# KiCad board NoU2-panelized.kicad_pcb (continued)
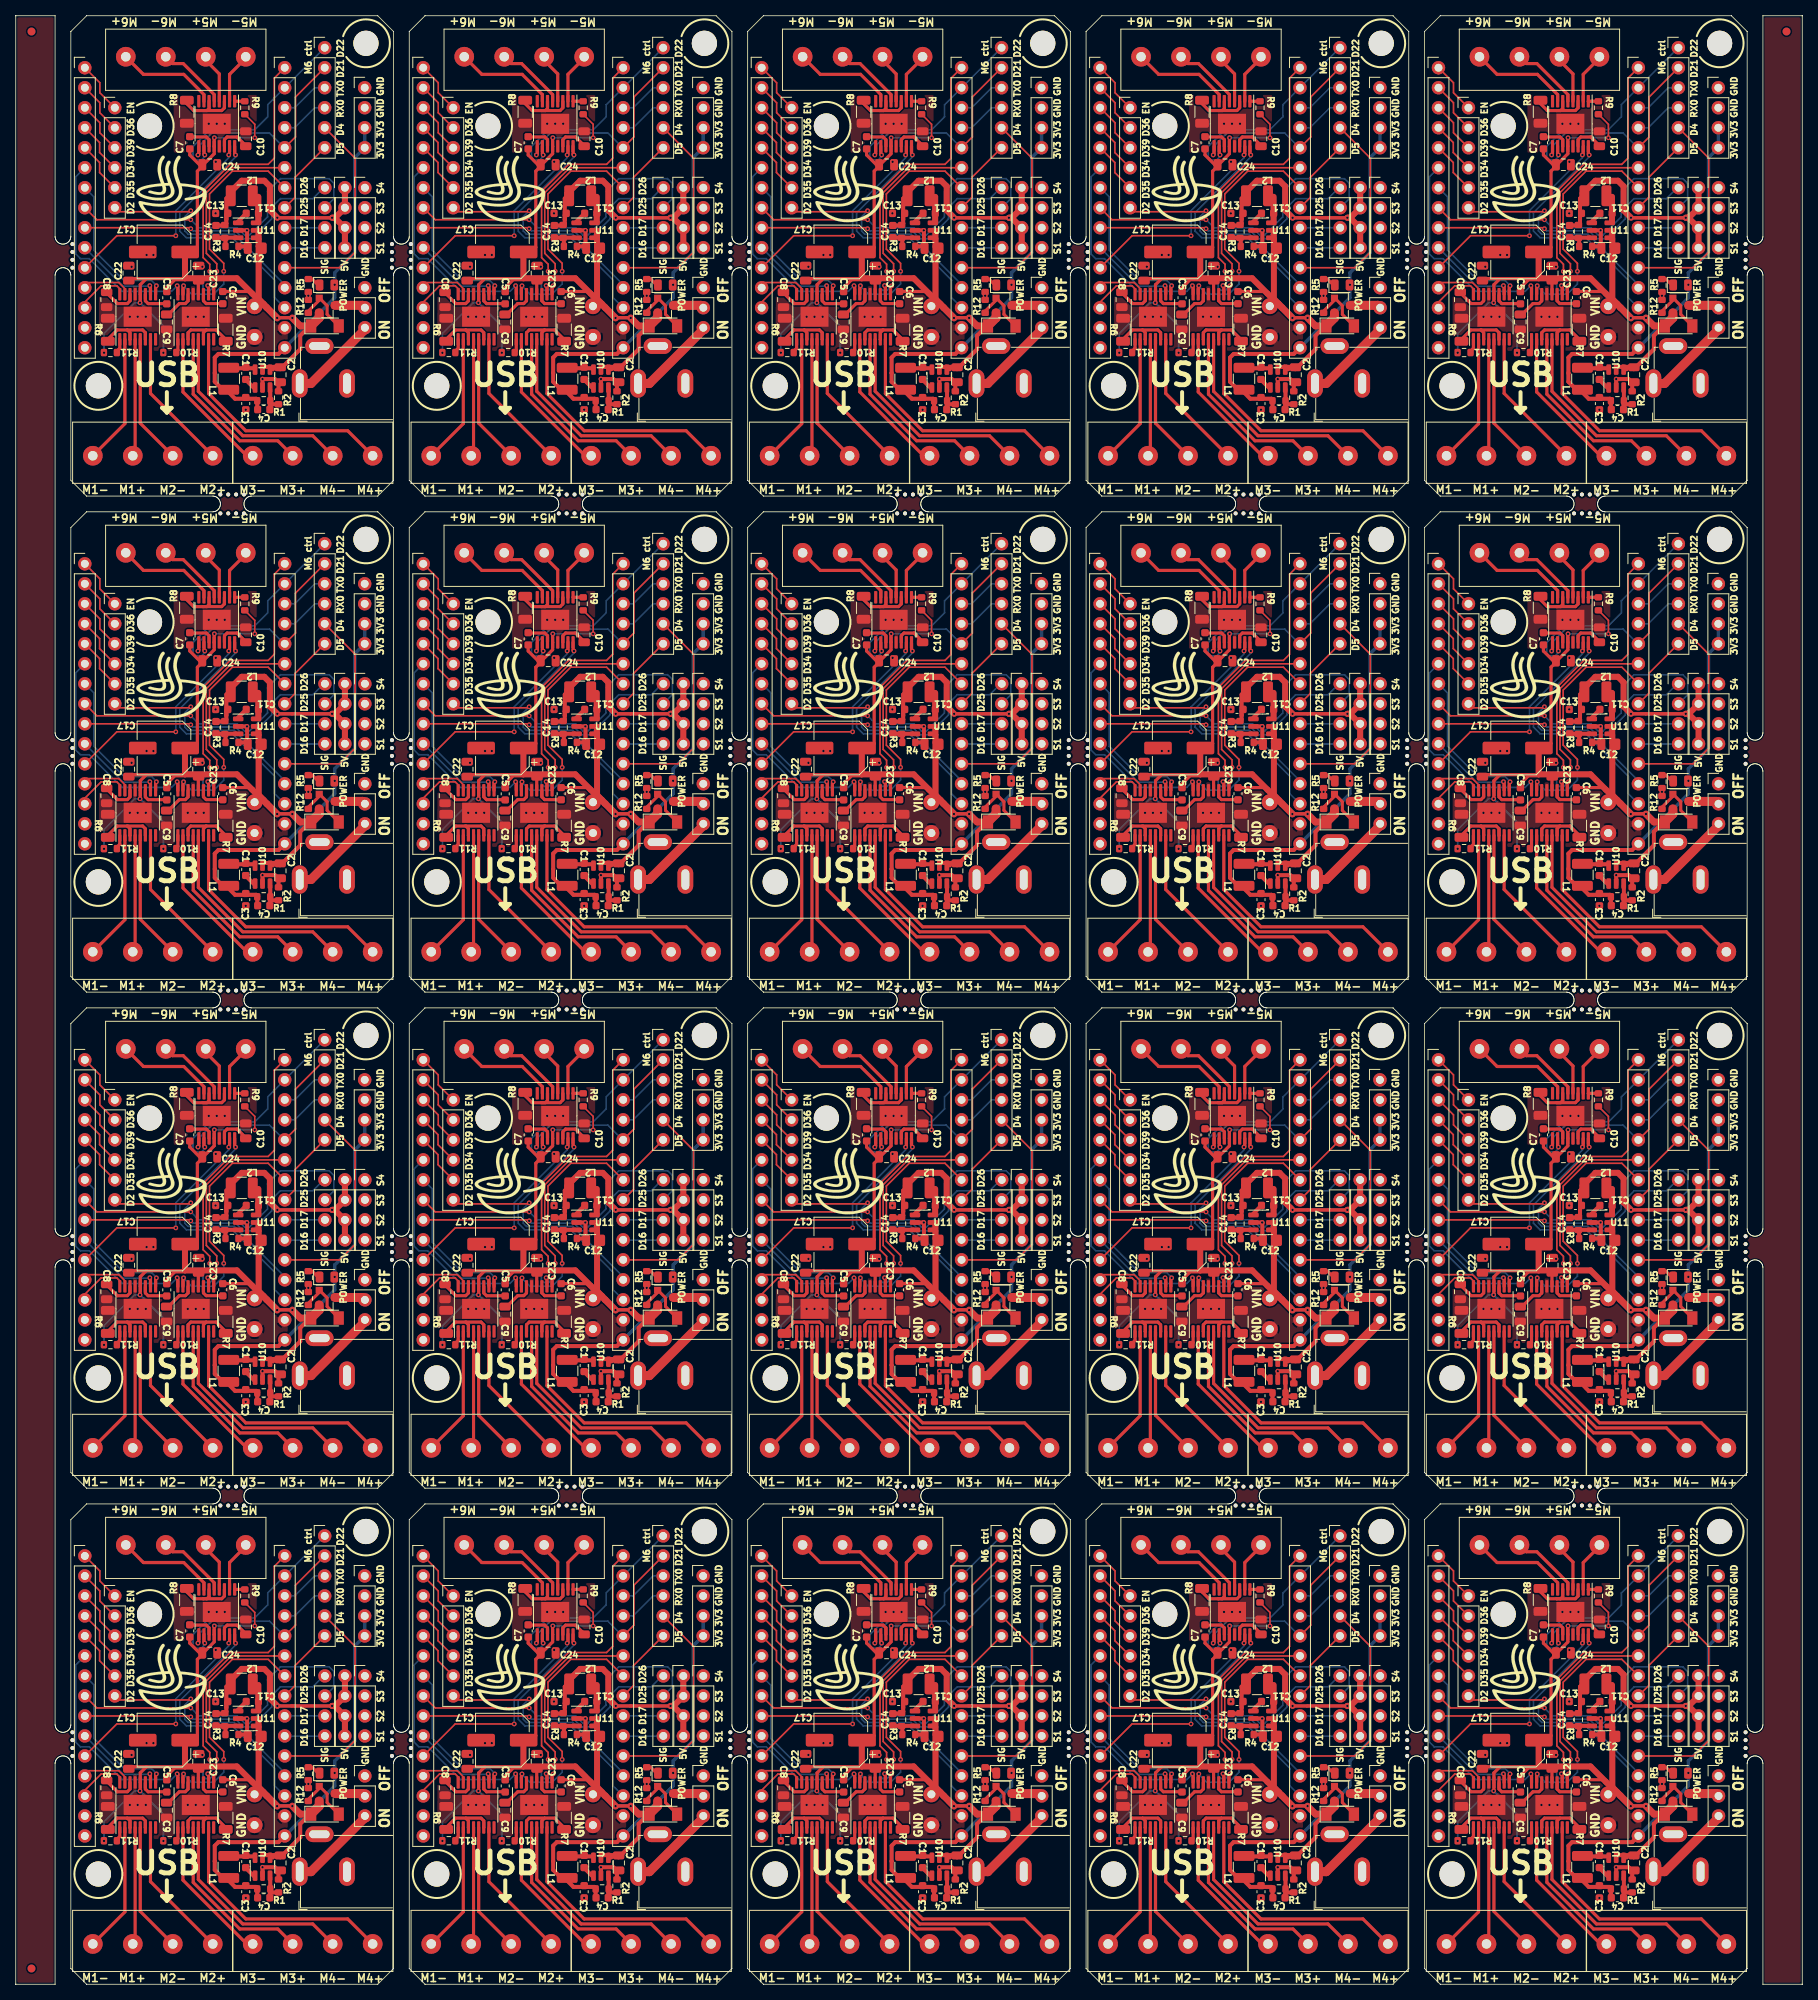
[diagram p0: board, top side]
## Routing (per net, layer and track width the routed paths; a pad name or vN(x,y) marks a point on that pad's centre or on a via; arc(x,y) is an arc through that point) (continued)
Board_18-/Sheet6057E9B8/D16: length 5.1
  Top w0.203: 163.21,31.51 J11#18.10
  Bottom w0.203: 168.28,31.51 163.21,31.51
Board_18-/Sheet6057E9B8/D17: length 5.1
  Top w0.203: 168.25,34.08 168.28,34.05
  Bottom w0.203: J11#18.9 168.25,34.08
Board_18-/Sheet6057E9B8/D34: length 6.7
  Top w0.203: J10#8.4 139.66,44.9 139.66,43.63 141.59,41.7
Board_18-/Sheet6057E9B8/D35: length 6.7
  Top w0.203: 141.59,39.16 139.66,41.09 139.66,42.36 J10#8.5
Board_18-/Sheet6057E9B8/D36: length 6.7
  Top w0.203: 141.59,46.78 139.68,48.68 139.68,49.95 J10#8.2
Board_18-/Sheet6057E9B8/D39: length 6.7
  Top w0.203: 141.59,44.24 139.68,46.14 139.68,47.41 J10#8.3
Board_18-/Sheet6057E9B8/EN: length 7.3
  Top w0.203: 141.59,49.32 139.68,51.22 139.68,52.49 J10#8.1
  Top w0.399: 137.78,53.76 J10#8.1
Board_18-D2: length 28.7
  Top w0.203: v1(151.24,36.24) 151.11,36.11 142.1,36.11 J4#2.6
  Bottom w0.203: J11#18.12 163.18,26.84 156.77,33.25 150.9,33.25 150.48,33.67 150.48,35.47 v1(151.24,36.24)
Board_18-D4: length 27.2
  Top w0.203: J11#18.11 170.14,29 172.12,30.98 172.12,42.92 J1#6.5
Board_18-D5: length 9.7
  Top w0.203: J1#6.6 164.5,40.48 164.5,37.94 J11#18.8
Board_18-D25: length 41.8
  Top w0.203: v1(151.24,35.09) 139.3,35.09 J10#8.8
  Bottom w0.203: J2#8.2 169.44,37.77 169.44,39.71 168.83,40.31 162.63,40.31 161,38.68 161,35.46 158.68,33.14 158.08,33.14 157.15,34.08 152.26,34.08 v1(151.24,35.09)
Board_18-D26: length 34.6
  Top w0.203: v1(151.24,33.95) 151.15,34.08 J10#8.9
  Bottom w0.203: J2#8.1 168.13,39.16 166.75,37.77 162.63,37.77 161.53,36.67 161.53,35.22 158.99,32.68 157.91,32.68 156.91,33.67 151.52,33.67 v1(151.24,33.95)
Board_18-GND: length 10.3
  Top w0.508: 158.32,10.98 158.32,10.98 ; 162.39,13.31 162.39,14.24 162.61,14.46 162.33,14.46 161.93,14.86 v1(160.36,14.86) 160.36,13.61 ; R12#16.2 R5#20.1 166.15,25.88 ; 157.06,33.75 v1(158.38,33.75) 158.4,33.72 158.4,31.8 158.31,31.71 R4#15.2
  vias: v1(143.49,22.77) v1(143.72,29.12) v1(144.5,22.77) v1(145.53,22.77) v1(145.63,30.62) v1(146.49,30.62) v1(150.86,22.77) v1(151.88,22.77) v1(152.71,29.12) v1(152.89,22.77) v1(153.53,47.28) v1(154.41,42.46) v1(154.39,35.9) v1(154.54,47.28) v1(155.56,47.28) v1(158.22,10.96) v1(166.18,25.44)
Board_18-M1A: length 6.9
  Top w0.203: U1#14.16 142.22,26.33 141.85,26.7 139.85,26.7 137.78,24.63 J10#8.13
Board_18-M1B: length 6.8
  Top w0.203: J10#8.12 137.78,27.12 142.1,27.12 142.87,26.34 U1#14.15
Board_18-M2A: length 11.3
  Top w0.399: U1#14.10 146.12,26.57 146.03,26.66
  Bottom w0.203: J10#8.10 142.65,26.66 146.03,26.66
  vias: v1(146.03,26.72)
Board_18-M2B: length 19.4
  Top w0.399: 146.87,26.66 146.77,26.56 U1#14.9
  Bottom w0.203: J10#8.7 138.93,38 138.93,31.22 142.78,27.37 146.26,27.37 146.87,26.76 v1(146.87,26.71) 146.87,26.66 146.87,26.72
Board_18-M3A: length 27.6
  Top w0.399: 149.51,26.66 149.6,26.57 U3#10.16
  Bottom w0.203: J10#8.6 136.63,40.54 136.63,30.75 137.23,30.15 138.35,30.15 142.5,26 148.79,26 v1(149.51,26.72)
Board_18-M3B: length 30.9
  Top w0.203: v1(155.43,28.54) 155.43,29.55 153.62,31.36 153.62,38.36 156.52,41.26 161.07,41.26 J11#18.7 ; 150.25,26.58 150.33,26.66
  Top w0.399: U3#10.15 150.25,26.58
  Bottom w0.203: v1(155.43,28.54) 155.43,26.93 154.15,25.65 151.34,25.65 150.33,26.66
  vias: v1(150.33,26.71)
Board_18-M4A: length 25.2
  Top w0.203: J11#18.6 156.39,41.7 153.22,38.53 153.22,30.83 154.54,29.5 v1(154.54,28.54)
  Top w0.399: U3#10.10 153.5,26.56 153.4,26.66
  Bottom w0.203: 153.4,26.66 153.4,26.67 154.54,27.82 v1(154.54,28.54)
  vias: v1(153.4,26.74)
Board_18-M4B: length 38.7
  Top w0.203: J11#18.1 161.86,53.08 161.86,42.92 161.07,42.13 156.24,42.13 152.81,38.7 152.81,30.28 153.65,29.44 v1(153.65,28.54)
  Top w0.399: U3#10.9 154.15,26.55 154.26,26.66
  Bottom w0.203: v1(153.65,28.54) 153.65,27.98 152.79,27.12 152.79,26.44 153.11,26.13 153.71,26.13 v1(154.29,26.71)
Board_18-M5A: length 32.5
  Top w0.399: U2#16.16 156.82,43.43 v1(156.93,43.32) 156.93,43.37
  Bottom w0.203: J11#18.13 163.17,23.92 161.91,25.19 161.91,27.41 156.51,32.81 150.69,32.81 149.84,33.65 149.84,35.98 156.93,43.07 v1(156.93,43.32)
Board_18-M5B: length 27.4
  Top w0.203: v1(149.34,33.06) 141.84,33.06 J10#8.11
  Top w0.399: U2#16.15 156.17,43.47 156.07,43.37
  Bottom w0.203: v1(149.34,33.06) 149.34,36.24 156.07,42.97 156.07,43.37
  vias: v1(156.07,43.32)
Board_18-M6A: length 27.3
  Top w0.203: 168.25,56.94 J1#6.1
  Top w0.399: 153.02,43.37 152.92,43.47 U2#16.10
  Bottom w0.203: 168.25,56.94 J11#18.2 161.02,49.7 161.02,48.17 159.37,46.52 153.65,46.52 151.52,44.39 151.52,43.02 151.85,42.69 152.59,42.69 153.02,43.12 v1(153.02,43.32)
Board_18-M6B: length 26.9
  Top w0.203: J1#6.2 164.55,50.69 164.55,45.61 J11#18.5
  Top w0.399: 152.15,43.37 152.27,43.49 U2#16.9
  Bottom w0.203: J11#18.5 163.11,44.24 161.24,46.11 153.92,46.11 152.27,44.46 152.27,43.49 152.15,43.37
  vias: v1(152.15,43.32)
Board_18-Net-(C1-Pad1): length 3.3
  Top w0.508: 159.43,16.23 156.15,16.23
Board_18-Net-(C1-Pad2): length 1.7
  Top w0.508: 158.33,14.81 158.33,14.78 ; 158.2,14.8 159.37,13.63
Board_18-Net-(C4-Pad1): length 4.1
  Top w0.508: C4#4.1 161.29,12.06 ; 161.29,12.06 161.29,11.84 161.46,11.66 R2#8.1 ; 161.29,12.06 R1#14.2 161.34,13.59 ; 161.41,12.06 161.46,12.1
Board_18-Net-(C5-Pad2): length 3.7
  Top w0.399: C5#19.2 148.16,24.44 145.82,24.44 145.47,24.79 U1#14.11
Board_18-Net-(C6-Pad2): length 3.4
  Top w0.399: U3#10.11 152.85,24.79 153.19,24.45 155.28,24.45 C6.2
Board_18-Net-(C7-Pad2): length 3.5
  Top w0.399: C7#18.2 151.15,45.61 153.22,45.61 153.57,45.27 U2#16.11
Board_18-Net-(C8-Pad1): length 4.6
  Top w0.399: C8#6.1 140.55,25.81 141.91,24.45 143.18,24.45 143.52,24.79 U1#14.14
Board_18-Net-(C9-Pad1): length 4.3
  Top w0.399: C9#15.1 148.4,23.06 149.78,24.45 150.56,24.45 150.9,24.79 U3#10.14
Board_18-Net-(C10-Pad1): length 4.2
  Top w0.399: C10#10.1 158.22,44.51 157.12,45.61 155.86,45.61 155.52,45.27 U2#16.14
Board_18-Net-(C11-Pad1): length 3.5
  Top w0.508: 159.7,37.99 159.65,38.04 ; 159.7,36.04 C11#12.1 159.68,35.75
  Top w0.762: 159.83,36.06 159.83,38 ; 159.83,34.81 159.83,35.86
Board_18-Net-(C11-Pad2): length 1.7
  Top w0.508: 157.06,34.7 157.08,34.7 C11#12.2
Board_18-Net-(C14-Pad1): length 3.7
  Top w0.508: C14#8.1 157.04,32.82 157.06,32.8 ; R4#15.1 155.65,32.69 R3#7.2
Board_18-Net-(D1-Pad1): length 1.6
  Top w0.381: D1#6.1 167.42,26.81 166.67,27.56 166.35,27.56
Board_18-Net-(D2-Pad2): length 7.2
  Top w0.381: 166.2,23.27 166.2,23.51 167.56,24.87 Q1#9.1 168.56,24.17 168.56,23.08 D2.2
  Top w0.508: Q1#9.1 167.43,25.17
Board_18-Net-(J6-Pad1): length 16.5
  Top w0.399: U1#14.2 142.87,9.2 J6#5.1
Board_18-Net-(J6-Pad2): length 14.9
  Top w0.399: U1#14.4 144.17,5.42 J6#5.2
Board_18-Net-(J6-Pad3): length 16.5
  Top w0.399: J6#5.3 144.82,9.25 U1#14.5
Board_18-Net-(J6-Pad4): length 18.1
  Top w0.399: J6#5.4 146.12,13.03 U1#14.7
Board_18-Net-(J7-Pad1): length 18.9
  Top w0.399: U3#10.2 150.25,13.22 158.35,5.12 J7#18.1
Board_18-Net-(J7-Pad2): length 22.9
  Top w0.399: U3#10.4 151.55,12.94 157.47,7.02 162.29,7.02 J7#18.2
Board_18-Net-(J7-Pad3): length 27.1
  Top w0.399: U3#10.5 152.2,13.3 157.84,7.66 166.73,7.66 J7#18.3
Board_18-Net-(J7-Pad4): length 31
  Top w0.399: J7#18.4 171.18,8.3 158.22,8.3 153.5,13.02 U3#10.7
Board_18-Net-(J8-Pad1): length 6.5
  Top w0.399: J8#16.1 158.22,55.62 156.17,53.56 U2#16.2
Board_18-Net-(J8-Pad2): length 6.4
  Top w0.399: U2#16.4 154.87,53.61 153.15,55.34 J8#16.2
Board_18-Net-(J8-Pad3): length 9
  Top w0.399: U2#16.5 154.22,50.99 150.28,54.93 148.93,54.93 J8#16.3
Board_18-Net-(J8-Pad4): length 12.8
  Top w0.399: U2#16.7 152.92,50.99 150.35,53.56 145.22,53.56 J8#16.4
Board_18-Net-(J9-Pad1): length 11.3
  Top w1.143: 173.34,21.38 173.34,21.12 166.52,14.3 J9#7.1
Board_18-Net-(Q1-Pad3): length 3.9
  Top w1.143: Q1#9.3 173.06,24.22 U8#12.2
Board_18-Net-(R6-Pad2): length 7.8
  Top w0.399: R6#6.2 140.7,19.91 141.89,21.1 143.18,21.1 ; 143.52,19.91 U1#14.3 143.52,20.75 143.18,21.1 ; 143.18,21.1 145.13,21.1 145.47,20.75 U1#14.6 145.47,19.91
Board_18-Net-(R7-Pad2): length 7.8
  Top w0.399: 153.19,21.1 152.85,20.75 U3#10.6 152.84,19.9 ; 153.19,21.1 154.47,21.1 155.69,19.89 R7.2 ; 153.19,21.1 151.24,21.1 150.9,20.75 U3#10.3 150.9,19.91
Board_18-Net-(R8-Pad2): length 8.5
  Top w0.399: 152.79,48.96 153.3,48.96 153.57,49.23 U2#16.6 ; 152.79,48.96 155.17,48.96 155.52,49.3 U2#16.3 ; 152.79,48.96 151.61,48.96 150.73,49.84 150.73,50.4
Board_18-Net-(R9-Pad1): length 1.3
  Top w0.399: U2#16.1 156.82,50.14 R9#16.1
Board_18-Net-(R10-Pad1): length 1.7
  Top w0.399: U3#10.1 149.6,18.53 149.4,18.33
Board_18-Net-(R11-Pad1): length 1.8
  Top w0.399: U1#14.1 142.22,18.77 141.78,18.33
Board_18-RX0: length 6.1
  Bottom w0.203: J1#6.4 166.99,49.32 164.45,46.78 J11#18.4
Board_18-TX0: length 6.1
  Bottom w0.203: J1#6.3 166.99,51.86 164.45,49.32 J11#18.3
Board_18-VIN: length 111
  Top w0.203: v1(159.37,45.51) 159.37,47.22 R9#16.2
  Top w0.25: J14#19.1 160.71,24.12 160.9,23.93
  Top w0.399: 150.54,27.62 145.6,27.62 144.82,26.84 U1#14.12 144.82,24.56 144.81,24.55 ; 159.04,25.72 158.78,25.98 C6.1 ; C17#15.1 151.49,31 152.08,31.59 152.08,41.26 152.7,41.89 C24#20.1 ; 152.21,27.36 152.2,27.35 U3#10.12 ; 150.49,27.47 149.31,27.47 ; C5#19.1 148.19,26.46 149.16,27.42 ; 158.01,48.4 R9#16.2 ; 143.65,27.62 145.62,27.62 ; C24#20.1 152.82,42.08 154.22,43.48 U2#16.12 154.21,44.43 154.21,45.51 ; C24#20.1 152.36,42.08 151.11,43.32 C7#18.1 ; C22#18.1 143.6,27.6
  Top w0.432: v1(164.14,22.62) 164.11,22.65 162.25,22.65 v1(162.21,22.62)
  Top w0.508: 162.52,16.41 161.61,16.41 ; 162.6,16.11 162.77,16.28 162.78,16.28 165.15,18.65 165.15,20.37 166.38,21.6 D2.1 ; 159.86,32.61 159.68,32.8 ; 161.53,16.27 161.69,16.11 ; 159.86,30.72 159.86,30.95 C12#18.2 ; 160.65,16.4 161.27,16.4
  Top w0.762: 159.74,25.1 159.66,25.1 157.1,27.66 150.57,27.66 ; 159.85,32.7 159.85,33.65 ; 159.86,32.61 159.86,24.97 160.46,24.37 ; 150.5,27.66 150.5,30.97 C17#15.1
  Top w0.864: 159.74,25.1 v1(162.21,22.62) ; D2.1 165.16,21.6 v1(164.14,22.62)
  Top w1.143: D2.1 167.56,22.63 Q1#9.2
  Bottom w0.203: 154.21,45.51 v1(159.37,45.51) ; v1(144.79,24.55) 144.13,24.55 140.22,20.64 v1(140.22,18.2)
  Bottom w0.25: v1(144.79,24.55) 147.76,21.58 v1(147.76,18.2)
  Bottom w0.432: v1(164.14,22.62) 164.11,22.65 162.25,22.65 v1(162.21,22.62)
  vias: v1(154.24,45.51)
Board_19-3V3: length 53
  Top w0.508: 202.81,12.1 202.56,12.36 199.87,12.36 198.94,13.29 198.94,13.5 199.07,13.37 ; J11#4.15 205.39,18.05 197.75,18.05 197.29,17.59 197.29,15.63 197.29,15.63 197.29,14.52 198.56,13.25 199.2,13.25 ; 202.81,11.04 202.86,10.99 ; R1#17.1 202.69,11.04
  Bottom w0.432: J3#13.3 J3#13.4 215.09,42.99 215.09,30.92 212.53,28.36 v1(212.53,26.84) 212.53,25.19 J11#4.15
Board_19-5V: length 40.3
  Top w0.432: v1(205.24,35.35) v1(212.2,35.35)
  Top w0.508: 198.76,35.14 198.76,34.63 R3#6.1 198.5,34.37 C14#15.2 ; 198.76,35.14 198.76,37.79 199.11,38.14 ; 198.76,35.14 198.76,35.69 198.98,35.9 198.98,36.1
  Top w0.762: 213.82,31.51 213.82,34.05 212.53,35.35 v1(212.2,35.35) 212.58,35.35 213.82,36.59 J12#3.1 ; 199.11,38.14 199.11,38.43 200.72,40.04 201.57,40.04 201.58,40.05 203.59,40.05 204.3,39.33 204.3,36.29 v1(205.24,35.35)
  Bottom w0.432: v1(212.2,35.35) v1(205.24,35.35)
Board_19-/Sheet6057E9B8/D16: length 5.1
  Top w0.203: 206.21,31.51 J11#4.10
  Bottom w0.203: 211.28,31.51 206.21,31.51
Board_19-/Sheet6057E9B8/D17: length 5.1
  Top w0.203: 211.25,34.08 211.28,34.05
  Bottom w0.203: J11#4.9 211.25,34.08
Board_19-/Sheet6057E9B8/D34: length 6.7
  Top w0.203: J10#7.4 182.66,44.9 182.66,43.63 184.59,41.7
Board_19-/Sheet6057E9B8/D35: length 6.7
  Top w0.203: J10#7.5 182.66,42.36 182.66,41.09 184.59,39.16
Board_19-/Sheet6057E9B8/D36: length 6.7
  Top w0.203: 184.59,46.78 182.68,48.68 182.68,49.95 J10#7.2
Board_19-/Sheet6057E9B8/D39: length 6.7
  Top w0.203: J10#7.3 182.68,47.41 182.68,46.14 184.59,44.24
Board_19-/Sheet6057E9B8/EN: length 7.3
  Top w0.203: J10#7.1 182.68,52.49 182.68,51.22 184.59,49.32
  Top w0.399: 180.78,53.76 J10#7.1
Board_19-D2: length 28.7
  Top w0.203: J4#13.6 185.1,36.11 194.11,36.11 v1(194.24,36.24)
  Bottom w0.203: v1(194.24,36.24) 193.48,35.47 193.48,33.67 193.9,33.25 199.77,33.25 206.18,26.84 J11#4.12
Board_19-D4: length 27.2
  Top w0.203: J1#7.5 215.12,42.92 215.12,30.98 213.14,29 J11#4.11
Board_19-D5: length 9.7
  Top w0.203: J11#4.8 207.5,37.94 207.5,40.48 J1#7.6
Board_19-D25: length 41.8
  Top w0.203: v1(194.24,35.09) 182.3,35.09 J10#7.8
  Bottom w0.203: J2#14.2 212.44,37.77 212.44,39.71 211.83,40.31 205.63,40.31 204,38.68 204,35.46 201.68,33.14 201.08,33.14 200.15,34.08 195.26,34.08 v1(194.24,35.09)
Board_19-D26: length 34.6
  Top w0.203: v1(194.24,33.95) 194.15,34.08 J10#7.9
  Bottom w0.203: v1(194.24,33.95) 194.52,33.67 199.91,33.67 200.91,32.68 201.99,32.68 204.53,35.22 204.53,36.67 205.63,37.77 209.75,37.77 211.13,39.16 J2#14.1
Board_19-GND: length 10.3
  Top w0.508: 209.15,25.88 R5#17.1 R12#20.2 ; 203.36,13.61 v1(203.36,14.86) 204.93,14.86 205.33,14.46 205.61,14.46 205.39,14.24 205.39,13.31 ; 201.32,10.98 201.32,10.98 ; R4#7.2 201.31,31.71 201.4,31.8 201.4,33.72 v1(201.38,33.75) 200.06,33.75
  vias: v1(186.49,22.77) v1(186.72,29.12) v1(187.5,22.77) v1(188.53,22.77) v1(188.63,30.62) v1(189.49,30.62) v1(193.86,22.77) v1(194.88,22.77) v1(195.71,29.12) v1(195.89,22.77) v1(196.53,47.28) v1(197.41,42.46) v1(197.39,35.9) v1(197.54,47.28) v1(198.56,47.28) v1(201.22,10.96) v1(209.18,25.44)
Board_19-M1A: length 6.9
  Top w0.203: U1#2.16 185.22,26.33 184.85,26.7 182.85,26.7 180.78,24.63 J10#7.13
Board_19-M1B: length 6.8
  Top w0.203: J10#7.12 180.78,27.12 185.1,27.12 185.87,26.34 U1#2.15
Board_19-M2A: length 11.3
  Top w0.399: U1#2.10 189.12,26.57 189.03,26.66
  Bottom w0.203: J10#7.10 185.65,26.66 189.03,26.66
  vias: v1(189.03,26.72)
Board_19-M2B: length 19.4
  Top w0.399: U1#2.9 189.77,26.56 189.87,26.66
  Bottom w0.203: 189.87,26.72 189.87,26.66 v1(189.87,26.71) 189.87,26.76 189.26,27.37 185.78,27.37 181.93,31.22 181.93,38 J10#7.7
Board_19-M3A: length 27.6
  Top w0.399: U3#20.16 192.6,26.57 192.51,26.66
  Bottom w0.203: v1(192.51,26.72) 191.79,26 185.5,26 181.35,30.15 180.23,30.15 179.63,30.75 179.63,40.54 J10#7.6
Board_19-M3B: length 30.9
  Top w0.203: J11#4.7 204.07,41.26 199.52,41.26 196.62,38.36 196.62,31.36 198.43,29.55 v1(198.43,28.54) ; 193.25,26.58 193.33,26.66
  Top w0.399: U3#20.15 193.25,26.58
  Bottom w0.203: v1(198.43,28.54) 198.43,26.93 197.15,25.65 194.34,25.65 193.33,26.66
  vias: v1(193.33,26.71)
Board_19-M4A: length 25.2
  Top w0.203: J11#4.6 199.39,41.7 196.22,38.53 196.22,30.83 197.54,29.5 v1(197.54,28.54)
  Top w0.399: 196.4,26.66 196.5,26.56 U3#20.10
  Bottom w0.203: v1(197.54,28.54) 197.54,27.82 196.4,26.67 196.4,26.66
  vias: v1(196.4,26.74)
Board_19-M4B: length 38.7
  Top w0.203: v1(196.65,28.54) 196.65,29.44 195.81,30.28 195.81,38.7 199.24,42.13 204.07,42.13 204.86,42.92 204.86,53.08 J11#4.1
  Top w0.399: U3#20.9 197.15,26.55 197.26,26.66
  Bottom w0.203: v1(196.65,28.54) 196.65,27.98 195.79,27.12 195.79,26.44 196.11,26.13 196.71,26.13 v1(197.29,26.71)
Board_19-M5A: length 32.5
  Top w0.399: U2#15.16 199.82,43.43 v1(199.93,43.32) 199.93,43.37
  Bottom w0.203: v1(199.93,43.32) 199.93,43.07 192.84,35.98 192.84,33.65 193.69,32.81 199.51,32.81 204.91,27.41 204.91,25.19 206.17,23.92 J11#4.13
Board_19-M5B: length 27.4
  Top w0.203: J10#7.11 184.84,33.06 v1(192.34,33.06)
  Top w0.399: U2#15.15 199.17,43.47 199.07,43.37
  Bottom w0.203: v1(192.34,33.06) 192.34,36.24 199.07,42.97 199.07,43.37
  vias: v1(199.07,43.32)
Board_19-M6A: length 27.3
  Top w0.203: 211.25,56.94 J1#7.1
  Top w0.399: 196.02,43.37 195.92,43.47 U2#15.10
  Bottom w0.203: 211.25,56.94 J11#4.2 204.02,49.7 204.02,48.17 202.37,46.52 196.65,46.52 194.52,44.39 194.52,43.02 194.85,42.69 195.59,42.69 196.02,43.12 v1(196.02,43.32)
Board_19-M6B: length 26.9
  Top w0.203: J1#7.2 207.55,50.69 207.55,45.61 J11#4.5
  Top w0.399: U2#15.9 195.27,43.49 195.15,43.37
  Bottom w0.203: 195.15,43.37 195.27,43.49 195.27,44.46 196.92,46.11 204.24,46.11 206.11,44.24 J11#4.5
  vias: v1(195.15,43.32)
Board_19-Net-(C1-Pad1): length 3.3
  Top w0.508: 202.43,16.23 199.15,16.23
Board_19-Net-(C1-Pad2): length 1.7
  Top w0.508: 201.2,14.8 202.37,13.63 ; 201.33,14.81 201.33,14.78
Board_19-Net-(C4-Pad1): length 4.1
  Top w0.508: 204.41,12.06 204.46,12.1 ; 204.29,12.06 R1#17.2 204.34,13.59 ; 204.29,12.06 204.29,11.84 204.46,11.66 R2#16.1 ; 204.29,12.06 C4#17.1
Board_19-Net-(C5-Pad2): length 3.7
  Top w0.399: C5#6.2 191.16,24.44 188.82,24.44 188.47,24.79 U1#2.11
Board_19-Net-(C6-Pad2): length 3.4
  Top w0.399: U3#20.11 195.85,24.79 196.19,24.45 198.28,24.45 C6#15.2
Board_19-Net-(C7-Pad2): length 3.5
  Top w0.399: U2#15.11 196.57,45.27 196.22,45.61 194.15,45.61 C7.2
Board_19-Net-(C8-Pad1): length 4.6
  Top w0.399: U1#2.14 186.52,24.79 186.18,24.45 184.91,24.45 183.55,25.81 C8#15.1
Board_19-Net-(C9-Pad1): length 4.3
  Top w0.399: U3#20.14 193.9,24.79 193.56,24.45 192.78,24.45 191.4,23.06 C9#18.1
Board_19-Net-(C10-Pad1): length 4.2
  Top w0.399: C10#3.1 201.22,44.51 200.12,45.61 198.86,45.61 198.52,45.27 U2#15.14
Board_19-Net-(C11-Pad1): length 3.5
  Top w0.508: 202.68,35.75 C11#17.1 202.7,36.04 ; 202.7,37.99 202.65,38.04
  Top w0.762: 202.83,36.06 202.83,38 ; 202.83,34.81 202.83,35.86
Board_19-Net-(C11-Pad2): length 1.7
  Top w0.508: C11#17.2 200.08,34.7 200.06,34.7
Board_19-Net-(C14-Pad1): length 3.7
  Top w0.508: C14#15.1 200.04,32.82 200.06,32.8 ; R4#7.1 198.65,32.69 R3#6.2
Board_19-Net-(D1-Pad1): length 1.6
  Top w0.381: D1#5.1 210.42,26.81 209.67,27.56 209.35,27.56
Board_19-Net-(D2-Pad2): length 7.2
  Top w0.381: D2#8.2 211.56,23.08 211.56,24.17 Q1#5.1 210.56,24.87 209.2,23.51 209.2,23.27
  Top w0.508: Q1#5.1 210.43,25.17
Board_19-Net-(J6-Pad1): length 16.5
  Top w0.399: J6#10.1 185.87,9.2 U1#2.2
Board_19-Net-(J6-Pad2): length 14.9
  Top w0.399: U1#2.4 187.17,5.42 J6#10.2
Board_19-Net-(J6-Pad3): length 16.5
  Top w0.399: J6#10.3 187.82,9.25 U1#2.5
Board_19-Net-(J6-Pad4): length 18.1
  Top w0.399: U1#2.7 189.12,13.03 J6#10.4
Board_19-Net-(J7-Pad1): length 18.9
  Top w0.399: J7#4.1 201.35,5.12 193.25,13.22 U3#20.2
Board_19-Net-(J7-Pad2): length 22.9
  Top w0.399: J7#4.2 205.29,7.02 200.47,7.02 194.55,12.94 U3#20.4
Board_19-Net-(J7-Pad3): length 27.1
  Top w0.399: J7#4.3 209.73,7.66 200.84,7.66 195.2,13.3 U3#20.5
Board_19-Net-(J7-Pad4): length 31
  Top w0.399: J7#4.4 214.18,8.3 201.22,8.3 196.5,13.02 U3#20.7
Board_19-Net-(J8-Pad1): length 6.5
  Top w0.399: J8#9.1 201.22,55.62 199.17,53.56 U2#15.2
Board_19-Net-(J8-Pad2): length 6.4
  Top w0.399: U2#15.4 197.87,53.61 196.15,55.34 J8#9.2
Board_19-Net-(J8-Pad3): length 9
  Top w0.399: U2#15.5 197.22,50.99 193.28,54.93 191.93,54.93 J8#9.3
Board_19-Net-(J8-Pad4): length 12.8
  Top w0.399: J8#9.4 188.22,53.56 193.35,53.56 195.92,50.99 U2#15.7
Board_19-Net-(J9-Pad1): length 11.3
  Top w1.143: 216.34,21.38 216.34,21.12 209.52,14.3 J9.1
Board_19-Net-(Q1-Pad3): length 3.9
  Top w1.143: Q1#5.3 216.06,24.22 U8#11.2
Board_19-Net-(R6-Pad2): length 7.8
  Top w0.399: 186.52,19.91 U1#2.3 186.52,20.75 186.18,21.1 ; 186.18,21.1 188.13,21.1 188.47,20.75 U1#2.6 188.47,19.91 ; 186.18,21.1 184.89,21.1 183.7,19.91 R6#12.2
Board_19-Net-(R7-Pad2): length 7.8
  Top w0.399: 196.19,21.1 194.24,21.1 193.9,20.75 U3#20.3 193.9,19.91 ; 196.19,21.1 195.85,20.75 U3#20.6 195.84,19.9 ; 196.19,21.1 197.47,21.1 198.69,19.89 R7#15.2
Board_19-Net-(R8-Pad2): length 8.5
  Top w0.399: U2#15.6 196.57,49.23 196.3,48.96 195.79,48.96 ; 195.79,48.96 198.17,48.96 198.52,49.3 U2#15.3 ; 195.79,48.96 194.61,48.96 193.73,49.84 193.73,50.4
Board_19-Net-(R9-Pad1): length 1.3
  Top w0.399: U2#15.1 199.82,50.14 R9#18.1
Board_19-Net-(R10-Pad1): length 1.7
  Top w0.399: 192.4,18.33 192.6,18.53 U3#20.1
Board_19-Net-(R11-Pad1): length 1.8
  Top w0.399: U1#2.1 185.22,18.77 184.78,18.33
Board_19-RX0: length 6.1
  Bottom w0.203: J1#7.4 209.99,49.32 207.45,46.78 J11#4.4
Board_19-TX0: length 6.1
  Bottom w0.203: J11#4.3 207.45,49.32 209.99,51.86 J1#7.3
Board_19-VIN: length 111
  Top w0.203: v1(202.37,45.51) 202.37,47.22 R9#18.2
  Top w0.25: 203.9,23.93 203.71,24.12 J14#6.1
  Top w0.399: 186.65,27.62 188.62,27.62 ; 192.16,27.42 191.19,26.46 C5#6.1 ; 202.04,25.72 201.78,25.98 C6#15.1 ; C24#15.1 195.7,41.89 195.08,41.26 195.08,31.59 194.49,31 C17#19.1 ; C24#15.1 195.82,42.08 197.22,43.48 U2#15.12 197.21,44.43 197.21,45.51 ; C24#15.1 195.36,42.08 194.11,43.32 C7.1 ; 195.21,27.36 195.2,27.35 U3#20.12 ; C22#9.1 186.6,27.6 ; 193.54,27.62 188.6,27.62 187.82,26.84 U1#2.12 187.82,24.56 187.81,24.55 ; 201.01,48.4 R9#18.2 ; 193.49,27.47 192.31,27.47
  Top w0.432: v1(205.21,22.62) 205.25,22.65 207.11,22.65 v1(207.14,22.62)
  Top w0.508: D2#8.1 209.38,21.6 208.15,20.37 208.15,18.65 205.78,16.28 205.77,16.28 205.6,16.11 ; 203.65,16.4 204.27,16.4 ; 204.53,16.27 204.69,16.11 ; 202.86,30.72 202.86,30.95 C12#16.2 ; 202.86,32.61 202.68,32.8 ; 205.52,16.41 204.61,16.41
  Top w0.762: 193.5,27.66 193.5,30.97 C17#19.1 ; 202.74,25.1 202.66,25.1 200.1,27.66 193.57,27.66 ; 202.85,32.7 202.85,33.65 ; 202.86,32.61 202.86,24.97 203.46,24.37
  Top w0.864: 202.74,25.1 v1(205.21,22.62) ; v1(207.14,22.62) 208.16,21.6 D2#8.1
  Top w1.143: D2#8.1 210.56,22.63 Q1#5.2
  Bottom w0.203: v1(183.22,18.2) 183.22,20.64 187.13,24.55 v1(187.79,24.55) ; 197.21,45.51 v1(202.37,45.51)
  Bottom w0.25: v1(187.79,24.55) 190.76,21.58 v1(190.76,18.2)
  Bottom w0.432: v1(205.21,22.62) 205.25,22.65 207.11,22.65 v1(207.14,22.62)
  vias: v1(197.24,45.51)

## Copper pours and planes (outline as drawn; the poured copper is in the pictures)
(no net) on Top: outline of 864 points within 0,0 227,250 ; 20 cut-outs
(no net) on Bottom: outline of 864 points within 0,0 227,250 ; 20 cut-outs
Board_0-GND on Top: 33.19,211.58 34.23,211.63 34.56,211.34 34.56,208.28 34.43,208.02 33.95,207.61 33.52,207.46 10.56,207.44 10.58,215.64 29.15,215.64
Board_0-GND on Top: 30.62,232.63 20.08,232.63 20.08,239.94 30.62,239.94
Board_0-GND on Bottom: 48,189.01 7,189.01 7,250 48,250
Board_1-GND on Top: 76.19,211.58 77.23,211.63 77.56,211.34 77.56,208.28 77.43,208.02 76.95,207.61 76.52,207.46 53.56,207.44 53.58,215.64 72.15,215.64
Board_1-GND on Top: 73.62,232.63 63.08,232.63 63.08,239.94 73.62,239.94
Board_1-GND on Bottom: 91,189.01 50,189.01 50,250 91,250
Board_2-GND on Top: 119.19,211.58 120.23,211.63 120.56,211.34 120.56,208.28 120.43,208.02 119.95,207.61 119.52,207.46 96.56,207.44 96.58,215.64 115.15,215.64
Board_2-GND on Top: 116.62,232.63 106.08,232.63 106.08,239.94 116.62,239.94
Board_2-GND on Bottom: 134,189.01 93,189.01 93,250 134,250
Board_3-GND on Top: 162.19,211.58 163.23,211.63 163.56,211.34 163.56,208.28 163.43,208.02 162.95,207.61 162.52,207.46 139.56,207.44 139.58,215.64 158.15,215.64
Board_3-GND on Top: 159.62,232.63 149.08,232.63 149.08,239.94 159.62,239.94
Board_3-GND on Bottom: 177,189.01 136,189.01 136,250 177,250
Board_4-GND on Top: 205.19,211.58 206.23,211.63 206.56,211.34 206.56,208.28 206.43,208.02 205.95,207.61 205.52,207.46 182.56,207.44 182.58,215.64 201.15,215.64
Board_4-GND on Top: 202.62,232.63 192.08,232.63 192.08,239.94 202.62,239.94
Board_4-GND on Bottom: 220,189.01 179,189.01 179,250 220,250
Board_5-GND on Top: 33.19,148.58 34.23,148.63 34.56,148.34 34.56,145.28 34.43,145.02 33.95,144.61 33.52,144.46 10.56,144.44 10.58,152.64 29.15,152.64
Board_5-GND on Top: 30.62,169.63 20.08,169.63 20.08,176.94 30.62,176.94
Board_5-GND on Bottom: 48,126.01 7,126.01 7,187 48,187
Board_6-GND on Top: 73.62,169.63 63.08,169.63 63.08,176.94 73.62,176.94
Board_6-GND on Top: 76.19,148.58 77.23,148.63 77.56,148.34 77.56,145.28 77.43,145.02 76.95,144.61 76.52,144.46 53.56,144.44 53.58,152.64 72.15,152.64
Board_6-GND on Bottom: 91,126.01 50,126.01 50,187 91,187
Board_7-GND on Top: 116.62,169.63 106.08,169.63 106.08,176.94 116.62,176.94
Board_7-GND on Top: 119.19,148.58 120.23,148.63 120.56,148.34 120.56,145.28 120.43,145.02 119.95,144.61 119.52,144.46 96.56,144.44 96.58,152.64 115.15,152.64
Board_7-GND on Bottom: 134,126.01 93,126.01 93,187 134,187
Board_8-GND on Top: 162.19,148.58 163.23,148.63 163.56,148.34 163.56,145.28 163.43,145.02 162.95,144.61 162.52,144.46 139.56,144.44 139.58,152.64 158.15,152.64
Board_8-GND on Top: 159.62,169.63 149.08,169.63 149.08,176.94 159.62,176.94
Board_8-GND on Bottom: 177,126.01 136,126.01 136,187 177,187
Board_9-GND on Top: 205.19,148.58 206.23,148.63 206.56,148.34 206.56,145.28 206.43,145.02 205.95,144.61 205.52,144.46 182.56,144.44 182.58,152.64 201.15,152.64
Board_9-GND on Top: 202.62,169.63 192.08,169.63 192.08,176.94 202.62,176.94
Board_9-GND on Bottom: 220,126.01 179,126.01 179,187 220,187
Board_10-GND on Top: 30.62,106.63 20.08,106.63 20.08,113.94 30.62,113.94
Board_10-GND on Top: 33.19,85.58 34.23,85.63 34.56,85.34 34.56,82.28 34.43,82.02 33.95,81.61 33.52,81.46 10.56,81.44 10.58,89.64 29.15,89.64
Board_10-GND on Bottom: 48,63.01 7,63.01 7,124 48,124
Board_11-GND on Top: 73.62,106.63 63.08,106.63 63.08,113.94 73.62,113.94
Board_11-GND on Top: 76.19,85.58 77.23,85.63 77.56,85.34 77.56,82.28 77.43,82.02 76.95,81.61 76.52,81.46 53.56,81.44 53.58,89.64 72.15,89.64
Board_11-GND on Bottom: 91,63.01 50,63.01 50,124 91,124
Board_12-GND on Top: 116.62,106.63 106.08,106.63 106.08,113.94 116.62,113.94
Board_12-GND on Top: 119.19,85.58 120.23,85.63 120.56,85.34 120.56,82.28 120.43,82.02 119.95,81.61 119.52,81.46 96.56,81.44 96.58,89.64 115.15,89.64
Board_12-GND on Bottom: 134,63.01 93,63.01 93,124 134,124
Board_13-GND on Top: 159.62,106.63 149.08,106.63 149.08,113.94 159.62,113.94
Board_13-GND on Top: 162.19,85.58 163.23,85.63 163.56,85.34 163.56,82.28 163.43,82.02 162.95,81.61 162.52,81.46 139.56,81.44 139.58,89.64 158.15,89.64
Board_13-GND on Bottom: 177,63.01 136,63.01 136,124 177,124
Board_14-GND on Top: 202.62,106.63 192.08,106.63 192.08,113.94 202.62,113.94
Board_14-GND on Top: 205.19,85.58 206.23,85.63 206.56,85.34 206.56,82.28 206.43,82.02 205.95,81.61 205.52,81.46 182.56,81.44 182.58,89.64 201.15,89.64
Board_14-GND on Bottom: 220,63.01 179,63.01 179,124 220,124
Board_15-GND on Top: 30.62,43.63 20.08,43.63 20.08,50.94 30.62,50.94
Board_15-GND on Top: 33.19,22.58 34.23,22.63 34.56,22.34 34.56,19.28 34.43,19.02 33.95,18.61 33.52,18.46 10.56,18.44 10.58,26.64 29.15,26.64
Board_15-GND on Bottom: 48,0.01 7,0.01 7,61 48,61
Board_16-GND on Top: 73.62,43.63 63.08,43.63 63.08,50.94 73.62,50.94
Board_16-GND on Top: 76.19,22.58 77.23,22.63 77.56,22.34 77.56,19.28 77.43,19.02 76.95,18.61 76.52,18.46 53.56,18.44 53.58,26.64 72.15,26.64
Board_16-GND on Bottom: 91,0.01 50,0.01 50,61 91,61
Board_17-GND on Top: 116.62,43.63 106.08,43.63 106.08,50.94 116.62,50.94
Board_17-GND on Top: 119.19,22.58 120.23,22.63 120.56,22.34 120.56,19.28 120.43,19.02 119.95,18.61 119.52,18.46 96.56,18.44 96.58,26.64 115.15,26.64
Board_17-GND on Bottom: 134,0.01 93,0.01 93,61 134,61
Board_18-GND on Top: 162.19,22.58 163.23,22.63 163.56,22.34 163.56,19.28 163.43,19.02 162.95,18.61 162.52,18.46 139.56,18.44 139.58,26.64 158.15,26.64
Board_18-GND on Top: 159.62,43.63 149.08,43.63 149.08,50.94 159.62,50.94
Board_18-GND on Bottom: 177,0.01 136,0.01 136,61 177,61
Board_19-GND on Top: 202.62,43.63 192.08,43.63 192.08,50.94 202.62,50.94
Board_19-GND on Top: 205.19,22.58 206.23,22.63 206.56,22.34 206.56,19.28 206.43,19.02 205.95,18.61 205.52,18.46 182.56,18.44 182.58,26.64 201.15,26.64
Board_19-GND on Bottom: 220,0.01 179,0.01 179,61 220,61

## Text on the board
B.Silkscreen: JLCJLCJLCJLC | GND | VIN | © 2022 Alfredo Systems | Alfredo NoU V2.6.8
F.Silkscreen: EN | D36 | D39 | D34 | D35 | D2 | D26 | D25 | D17 | D16 | M6 ctrl | SIG | D22 | D21 | TX0 | RX0 | D4 | D5 | POWER | 5V | GND | 3V3 | S4 | S3 | S2 | S1 | M1- | M1+ | M2- | M2+ | M3- | M3+ | M4- | M4+ | M6+ | M6- | M5+ | M5- | VIN | ON | OFF | USB
